# KiCad board digital.kicad_pcb (continued)
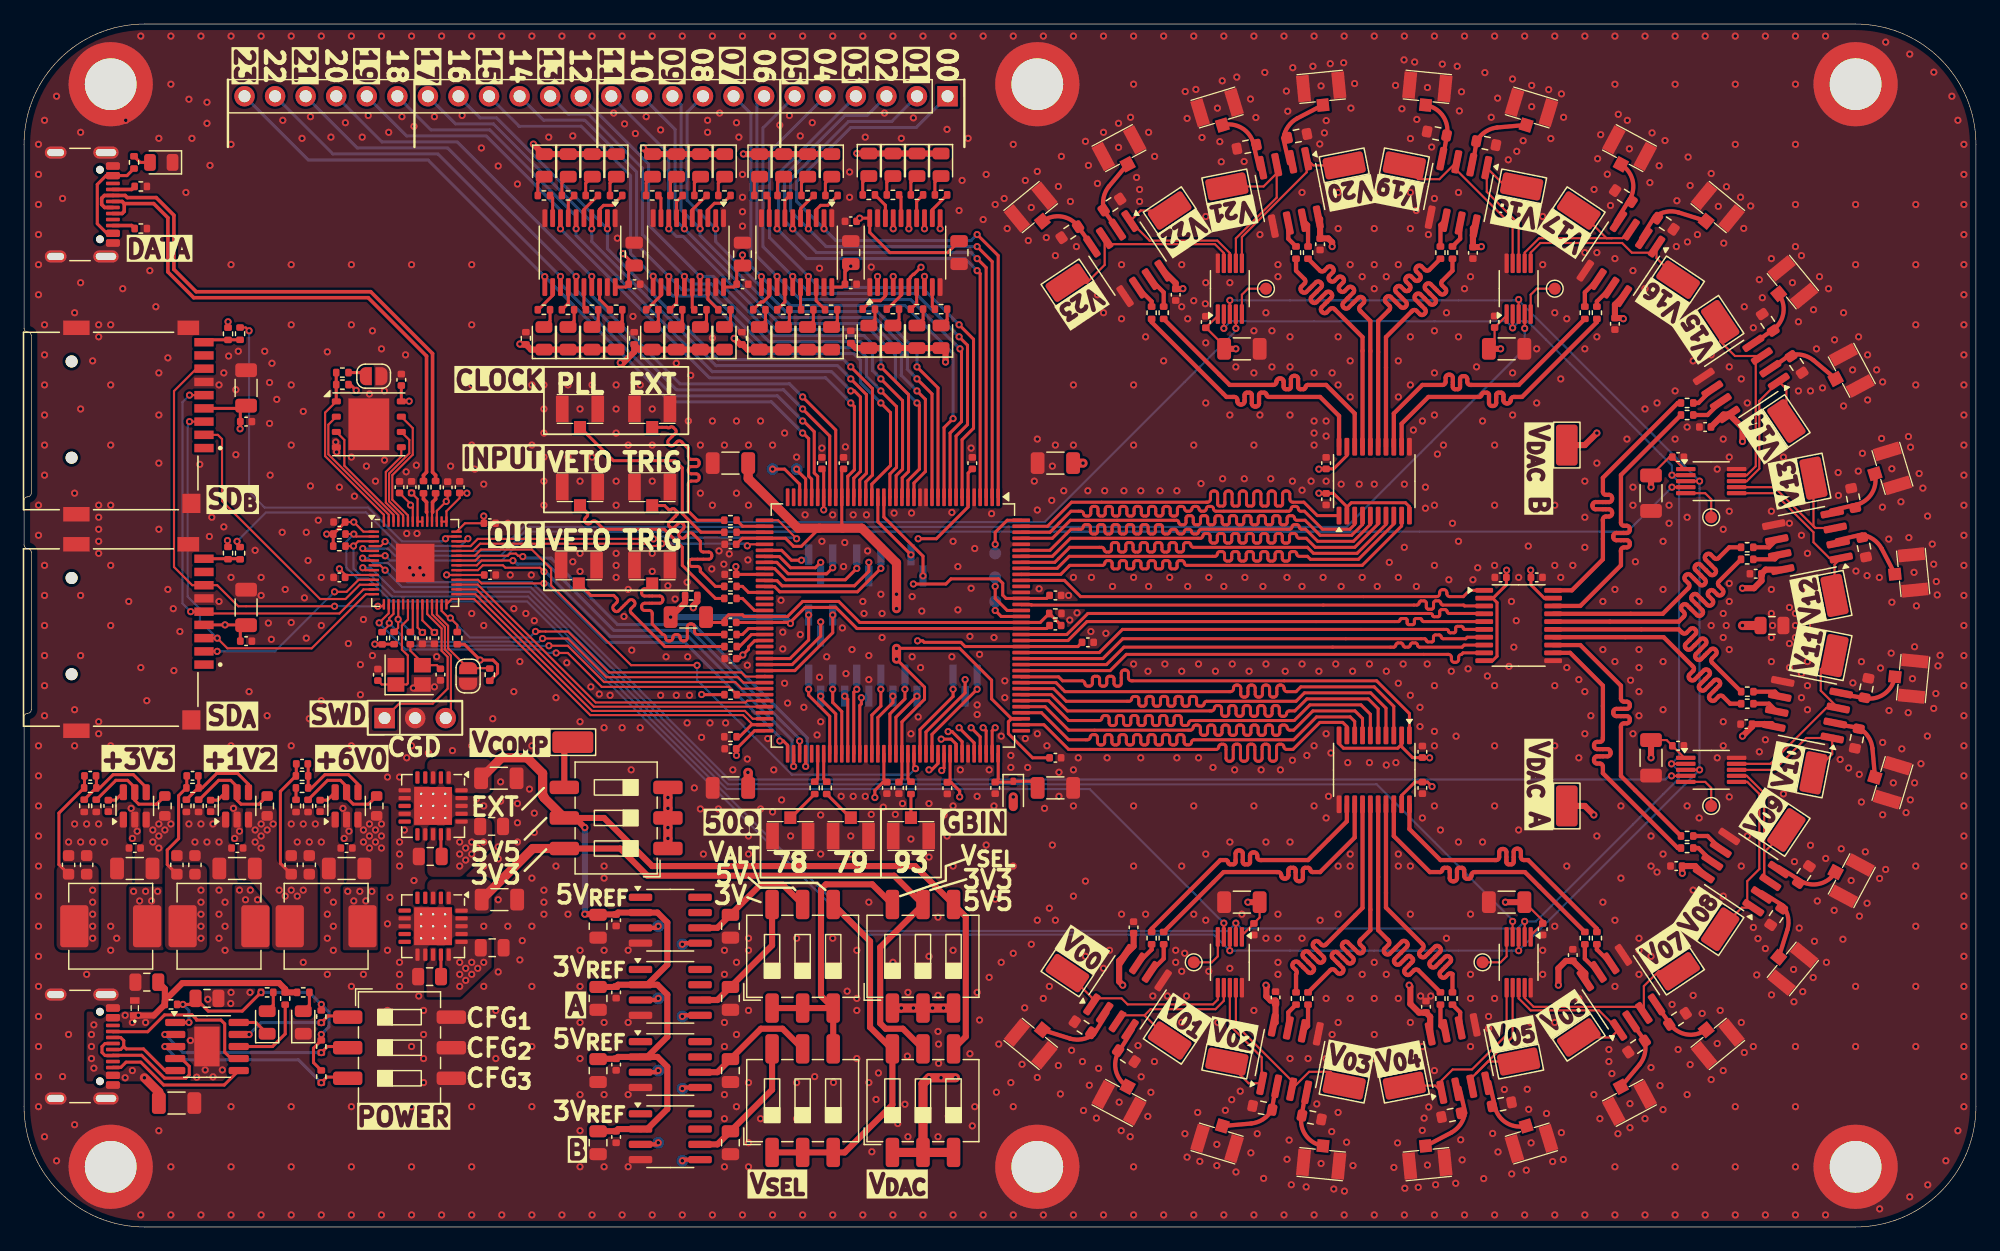
[diagram p0: board, top side]
## Routing (per net, layer and track width the routed paths; a pad name or vN(x,y) marks a point on that pad's centre or on a via; arc(x,y) is an arc through that point) (continued)
v1(156.7,97.5) v1(156.75,35.5) v1(156.7,2.5) v1(156.77,64.82) v1(156.92,45.58) v1(157.06,54.42) v1(157.1,48.23) v1(157.1,36.92) v1(157.2,85) v1(157.2,80) v1(157.2,75) v1(157.2,70) v1(157.2,30) v1(157.2,25) v1(157.2,20) v1(157.2,15) v1(157.25,51.63) v1(157.48,62.63) v1(157.63,38.51) v1(157.79,61.42) v1(158.18,59.1) v1(158.16,40.81) v1(158.2,3.5) v1(158.57,56.77) v1(158.7,96) v1(158.69,55.1) v1(158.69,43.11) v1(158.9,53.66) v1(158.87,44.34) v1(158.98,52.54) v1(159.05,46.64) v1(159.22,47.53) v1(159.7,5.5) v1(160.2,94) v1(160.7,92) v1(160.7,8) v1(161.2,90) v1(161.2,87.5) v1(161.2,85) v1(161.2,82.5) v1(161.2,80) v1(161.2,77.5) v1(161.2,75) v1(161.2,72.5) v1(161.2,70) v1(161.2,67.5) v1(161.2,65) v1(161.2,62.5) v1(161.2,60) v1(161.2,57.5) v1(161.2,55) v1(161.2,52.5) v1(161.2,50) v1(161.2,47.5) v1(161.2,45) v1(161.2,42.5) v1(161.2,40) v1(161.2,37.5) v1(161.2,35) v1(161.2,32.5) v1(161.2,30) v1(161.2,27.5) v1(161.2,25) v1(161.2,22.5) v1(161.2,20) v1(161.2,17.5) v1(161.2,15) v1(161.2,12.5) v1(161.2,10)
/comparators/COMP_VCC: length 360.5
  Top w0.254: U34.19 109.92,64.13 108.82,63.02 C108.1 107.62,63.02 v1(107.6,63) ; v1(117,36.61) 116.63,36.98 C98.1 115.58,36.98 114.48,35.87 U24.19 ; v1(125.2,54.6) 125.22,54.58 C102.1 125.22,53.38 126.33,52.28 U29.19
  Top w0.508: v1(142.8,53.1) 143.76,53.1 144.38,53.72 C101.2 144.73,54.65 U26.8 ; U36.8 107.7,83.8 C114.2 108.38,82.18 108.7,81.86 v1(108.7,81.5) ; v1(142.8,65.3) 142.8,66.44 U28.8 141.22,67.54 C105.2 ; v1(132.9,75.5) 132.84,75.56 C107.2 132.2,76.67 U31.8 ; U35.8 138.87,30 C113.2 137.78,29.42 v1(137.8,29.4) ; v1(103.2,20.1) 103.29,20.01 103.23,19.95 103.23,19.17 103.58,18.82 104,18.82 C104.2 104,16.98 U27.8 ; U33.8 120.4,83.02 C111.2 121.06,81.46 v1(121.1,81.5) ; v1(115.1,20.1) 115.2,20 115.2,18.54 115.92,17.82 C106.2 116.85,17.47 U30.8 ; U38.8 95.7,78.46 C116.2 96.28,77.98 v1(96.3,78) ; U32.8 129.74,21.08 C110.2 128.12,22.12 127.5,21.5 v1(127.5,20.1) ; C100.2 92.2,23.33 U25.8 91,22.13 91,20.4 v1(91.3,20.1) ; v1(142.8,40.8) 143.6,41.6 C115.2 145.22,41.8 U37.8
  Top w0.762: C112.1 v1(142.8,50) ; SW6.3 v1(53.51,35.7) v1(53.51,34.8) v1(53.51,33.2) v1(53.51,32.3) SW6.1
  In2.Cu w0.762: v1(107.6,63) 116.8,63 v1(125.2,54.6) 125.2,44.81 v1(117,36.61) 113.39,33 90.3,33 77.9,20.6 66.7,20.6 66.7,20.6 65.2,20.6 ; v1(53.51,35.7) v1(53.51,32.3) 74.81,11 78.5,11 87.6,20.1 v1(91.3,20.1) v1(103.2,20.1) v1(115.1,20.1) v1(127.5,20.1) 128.5,20.1 v1(137.8,29.4) 142.8,34.4 v1(142.8,40.8) v1(142.8,50) v1(142.8,53.1) v1(142.8,65.3) 142.8,65.6 v1(132.9,75.5) 126.9,81.5 v1(121.1,81.5) v1(108.7,81.5) 99.8,81.5 v1(96.3,78)
/comparators/IN22: length 6.8
  Top w0.356: 89.7,84.55 90.95,82.8 ; 89.73,84.56 arc(89.71,85.58) 90.15,86.5 91.7,88.35 ; 90.7,83.06 U38.2
/comparators/OUT0: length 2.1
  Top w0.356: R100.1 93.7,23.06 U25.7
/comparators/OUT1: length 2.7
  Top w0.356: U25.6 94.7,22.3 R99.1
/comparators/OUT2: length 2.2
  Top w0.356: U27.7 105.06,17.84 R98.1
/comparators/OUT3: length 2.3
  Top w0.356: R95.1 106.7,16.7 U27.6
/comparators/OUT4: length 2.3
  Top w0.356: R94.1 117.7,16.7 U30.7
/comparators/OUT5: length 2.2
  Top w0.356: R93.1 119.34,17.84 U30.6
/comparators/OUT6: length 2.7
  Top w0.356: R92.1 129.7,22.3 U32.7
/comparators/OUT7: length 2.1
  Top w0.356: U32.6 130.7,23.06 R91.1
/comparators/OUT8: length 2.1
  Top w0.356: R116.1 139.14,31.5 U35.7
/comparators/OUT9: length 2.7
  Top w0.356: R113.1 139.9,32.5 U35.6
/comparators/OUT10: length 2.2
  Top w0.356: U37.7 145.01,43.5 R112.1
/comparators/OUT11: length 2.3
  Top w0.356: U37.6 145.5,44.5 R111.1
/comparators/OUT12: length 2.4
  Top w0.356: U26.7 145.5,55.5 R110.1
/comparators/OUT13: length 2.2
  Top w0.356: U26.6 145.01,56.5 R109.1
/comparators/OUT14: length 2.7
  Top w0.356: R106.1 139.9,67.5 U28.7
/comparators/OUT15: length 2.1
  Top w0.356: U28.6 139.14,68.5 R105.1
/comparators/OUT16: length 2.1
  Top w0.356: U31.7 130.7,76.94 R130.1
/comparators/OUT17: length 2.7
  Top w0.356: R129.1 129.7,77.7 U31.6
/comparators/OUT18: length 2.2
  Top w0.356: R128.1 119.34,82.15 U33.7
/comparators/OUT19: length 2.3
  Top w0.356: R127.1 117.7,83.3 U33.6
/comparators/OUT20: length 2.3
  Top w0.356: U36.7 106.7,83.3 R126.1
/comparators/OUT21: length 2.2
  Top w0.356: R123.1 105.06,82.15 U36.6
/comparators/OUT22: length 2.7
  Top w0.356: U38.7 94.7,77.7 R122.1
/comparators/OUT23: length 2.1
  Top w0.356: U38.6 93.7,76.94 R121.1
/comparators/VREF0: length 15.5
  Top w0.178: TP7.1 88.74,19.06 U25.1 89.24,19 91.2,19 91.7,18.5 98.8,18.5 99.2,18.9 U15.6
/comparators/VREF1: length 14.5
  Top w0.178: 93.11,17.59 93.61,18.1 99,18.1 99.7,18.8 U15.7 ; 93.11,17.59 TP8.1 ; 93.11,17.59 91.36,17.59 U25.3 91.51,17.75
/comparators/VREF2: length 12.7
  Top w0.178: U15.8 100.2,16.75 102.85,14.1 U27.1 101.76,11.94 TP9.1
/comparators/VREF3: length 15.8
  Top w0.178: U15.9 100.7,16.8 105.34,12.16 U27.3 106.79,12.9 108.55,12.9 TP10.1
/comparators/VREF4: length 15.2
  Top w0.178: TP12.1 117.27,11.75 U30.1 117.81,12.19 118.72,13.09 120.33,13.09 123.2,15.97 U16.6
/comparators/VREF5: length 13.5
  Top w0.178: U30.3 120.31,12.41 120.67,12.78 ; 120.67,12.78 123.7,15.8 U16.7 ; 120.67,12.78 121.65,13.75 TP13.1
/comparators/VREF6: length 13.8
  Top w0.178: U16.8 124.2,19 125.2,18 130.87,18 U32.1 131.86,15.75 TP15.1
/comparators/VREF7: length 16.9
  Top w0.178: TP17.1 135.83,21.25 134.6,20.02 U32.3 134.1,18.3 125.44,18.3 124.7,19.04 U16.9
/comparators/VREF8: length 15.9
  Top w0.178: TP19.1 142.74,26.54 U35.1 143.2,27.04 143.2,28.75 144.2,29.75 144.2,36 143.2,37 U18.6
/comparators/VREF9: length 15.1
  Top w0.178: 144.6,29.16 144.6,31.15 TP20.1 ; 144.6,29.16 144.6,36.06 143.16,37.5 U18.7 ; 144.6,29.16 U35.3
/comparators/VREF10: length 12.6
  Top w0.178: U18.8 145.45,38 148.1,40.65 U37.1 150.26,39.31 TP21.1
/comparators/VREF11: length 15.8
  Top w0.178: TP22.1 149.3,46.35 149.3,44.59 U37.3 149.76,43.14 145.12,38.5 U18.9
/comparators/VREF12: length 14.7
  Top w0.178: U20.6 145.45,61 148.7,57.75 148.7,56.93 150.01,55.61 U26.1 150.45,55.07 TP26.1
/comparators/VREF13: length 13.8
  Top w0.178: 148.84,58.11 148.7,58.25 TP28.1 ; 148.84,58.11 145.45,61.5 U20.7 ; 148.84,58.11 U26.3
/comparators/VREF14: length 13.8
  Top w0.178: U20.8 143.16,62 144.2,63.04 144.2,68.67 U28.1 146.45,69.66 TP29.1
/comparators/VREF15: length 16.9
  Top w0.178: TP30.1 140.95,73.63 142.18,72.4 U28.3 143.9,71.9 143.9,63.24 143.16,62.5 U20.9
/comparators/VREF16: length 15.7
  Top w0.178: U21.6 125.2,81 126,81.8 132.8,81.8 133.6,81 135.16,81 U31.1 135.66,80.54 TP32.1
/comparators/VREF17: length 14.2
  Top w0.178: U21.7 124.7,81 125.9,82.2 131.95,82.2 ; 131.95,82.2 132.84,82.2 U31.3 ; 131.95,82.2 131.5,82.2 TP33.1
/comparators/VREF18: length 12.6
  Top w0.178: TP35.1 123.11,86.5 U33.1 121.55,86.05 124.2,83.4 U21.8
/comparators/VREF19: length 15.8
  Top w0.178: TP37.1 115.85,87.1 117.61,87.1 U33.3 119.06,87.84 123.7,83.2 U21.9
/comparators/VREF20: length 14.3
  Top w0.178: U23.6 101.2,82.3 106.59,87.68 U36.1 107.13,88.25 TP39.1
/comparators/VREF21: length 14.9
  Top w0.178: TP40.1 103,86.5 104.09,87.59 U36.3 104.09,85.57 100.7,82.18 U23.7
/comparators/VREF22: length 13.9
  Top w0.178: U23.8 100.2,80.96 99.16,82 93.53,82 U38.1 92.79,84.5 TP41.1
/comparators/VREF23: length 17.2
  Top w0.178: TP42.1 88.32,78.5 89.8,79.98 U38.3 90.3,81.7 98.96,81.7 99.7,80.96 U23.9
/dac/VREF_A: length 103.7
  Top w0.178: C84.1 136.5,40.47 C85.1 137.97,39 U18.1 ; C76.1 102.67,25.72 102.2,25.25 C77.1 101.2,24.23 U15.1 ; C79.1 126.2,25.47 C80.1 125.2,24.23 U16.1
  Top w0.508: v1(101.7,27) C76.1 ; v1(130.45,34.25) 129.7,35 TP4.1 ; C79.1 v1(123.1,27) ; C84.1 v1(135.2,39)
  Top w0.762: SW2.1 SW2.3 ; SW2.2 74.7,11.9 v1(75.2,12.4) v1(77.4,12.4)
  In2.Cu w0.508: 123.15,27 v1(123.1,27) ; v1(135.2,39) 135.15,39
  In2.Cu w0.762: v1(75.2,12.4) 78.4,12.4 79.8,13.8 79.8,16.2 90.6,27 v1(101.7,27) v1(123.1,27) 123.2,27 v1(135.2,39)
  vias: v1(76.2,12.4)
/dac/VREF_A_3V: length 11.3
  Top w0.508: SW3.6 62.16,11.41 C78.1 57.62,6.87 U14.6
/dac/VREF_A_5V: length 10.7
  Top w0.508: SW3.5 63.03,16.48 61.23,16.48 C83.1 57.62,12.87 U17.6
/dac/VREF_B: length 153.8
  Top w0.178: 99.73,73.25 98.23,74.75 C97.1 99.2,75.75 U23.1 ; C91.1 122.2,73.47 C92.1 123.2,75.77 U21.1 ; C88.1 136.73,64 C89.1 137.97,63 U20.1
  Top w0.508: C91.1 v1(122.7,73) ; TP24.1 129.7,65 v1(130.7,66) ; C88.1 v1(135.2,61.5) ; C96.1 v1(100.7,73)
  Top w0.762: SW4.1 v1(72.9,18.19) v1(75.5,18.19) SW4.3
  In2.Cu w0.762: v1(100.7,73) v1(122.7,73) 123.7,73 v1(130.7,66) v1(135.2,61.5) 135.2,40.6 122.8,28.2 90,28.2 80,18.2 v1(76.4,18.2) 76.39,18.19 v1(72.9,18.19)
  vias: v1(73.9,18.2)
/dac/VREF_B_3V: length 11.3
  Top w0.508: SW5.6 62.16,23.41 C90.1 57.62,18.87 U19.6
/dac/VREF_B_5V: length 10.7
  Top w0.508: SW5.5 63.03,28.48 61.23,28.48 C95.1 57.62,24.86 U22.6
/dac/VREF_SELECT_A: length 30.4
  Top w0.508: SW5.4 70.3,23.75 70.3,16.6 72.09,14.81 SW2.6 72.16,10.16 68.2,6.19 SW3.3 SW3.1
/dac/VREF_SELECT_B: length 25.6
  Top w0.508: SW5.3 66.23,19.21 66.23,28.07 66.63,28.48 70.48,28.48 SW4.6 ; SW5.3 SW3.4 ; SW5.3 SW5.1
/FPGA/ALT_CLK: length 2.4
  Top w0.254: U1.93 73.45,37.26 R4.2
/FPGA/BNC_0: length 2.4
  Top w0.254: U1.78 65.95,37.26 R1.2
/FPGA/BNC_1: length 2.4
  Top w0.254: U1.79 66.45,37.26 R2.2
/FPGA/CDONE: length 36.2
  Top w0.178: U4.17 30.7,50.97 30.35,50.61 v1(30.35,50.2) 30.35,50.05 R30.2 ; v1(43.62,48.32) 45.18,48.32 48.2,45.3 59.09,45.3 59.64,44.75 U1.65
  Bottom w0.178: v1(43.62,48.32) 32.23,48.32 v1(30.35,50.2)
/FPGA/CS: length 33.7
  Top w0.178: U1.71 60.55,41.75 59.75,42.55 47.05,42.55 37.4,52.2 35.54,52.2 U4.28
  Top w0.254: U1.71 60.45,41.75 59.45,40.75 R34.2
/FPGA/D0: length 34.1
  Top w0.178: U4.32 37.72,53.8 38.02,53.5 v1(43.2,53.5)
  Top w0.254: v1(62.8,40.4) 63.1,40.4 63.45,40.05 U1.73
  Bottom w0.254: v1(62.8,40.4) 62.8,40.7 54.9,48.6 48.4,48.6 43.5,53.5 v1(43.2,53.5)
/FPGA/D1: length 37.4
  Top w0.178: v1(43.21,54.47) 42.88,54.8 40,54.8 39.8,55 38.12,55 37.72,54.6 U4.34
  Top w0.254: U1.74 v1(63.95,38.29)
  Bottom w0.254: v1(63.95,38.29) 63.82,38.41 63.82,40.48 55.2,49.1 48.7,49.1 43.33,54.47 v1(43.21,54.47)
/FPGA/D2: length 36
  Top w0.178: v1(40.62,55.39) 40.61,55.4 38.02,55.4 37.62,55 U4.35
  Top w0.254: U1.75 v1(64.45,40.39)
  Bottom w0.254: v1(64.45,40.39) 64.45,40.55 55.4,49.6 49,49.6 43.5,55.1 40.99,55.1 40.7,55.39 v1(40.62,55.39)
/FPGA/D3: length 39.2
  Top w0.178: U4.36 37.5,55.4 37.9,55.8 40.2,55.8 40.38,55.98 40.87,55.98 41.05,55.8 41.37,55.8 v1(41.44,55.73)
  Top w0.254: U1.76 v1(64.95,38.29)
  Bottom w0.254: v1(41.44,55.73) 41.57,55.6 43.8,55.6 49.33,50.07 55.66,50.07 65.08,40.65 65.08,38.41 v1(64.95,38.29)
/FPGA/DEBUG_0: length 57.1
  Top w0.178: U11.2 v1(66.48,82.98)
  Top w0.254: v1(79.2,82.5) 80.95,80.75 U1.1
  Bottom w0.254: v1(79.2,82.5) 78.7,82 67.46,82 v1(66.48,82.98) 64.2,85.26 64.2,86.9 68.7,91.4 74.14,91.4 J45.1
/FPGA/DEBUG_1: length 55
  Top w0.178: U11.4 v1(65.17,82.98)
  Top w0.254: v1(79.2,81.5) 80.45,80.25 U1.2
  Bottom w0.254: v1(79.2,81.5) 66.66,81.5 v1(65.17,82.98) 63.7,84.46 63.7,87.1 68.5,91.9 72.1,91.9 J45.2
/FPGA/DEBUG_2: length 53.5
  Top w0.178: U11.6 v1(63.87,82.98)
  Top w0.254: U1.3 79.95,79.75 v1(79.2,80.5)
  Bottom w0.178: 71.43,94 J45.3
  Bottom w0.254: v1(79.2,80.5) 78.7,81 65.86,81 v1(63.87,82.98) 63.2,83.66 63.2,87.4 68.2,92.4 70.06,92.4 J45.3
/FPGA/DEBUG_3: length 51.6
  Top w0.178: U11.8 v1(62.57,82.98)
  Top w0.254: U1.4 79.45,79.25 v1(79.2,79.5)
  Bottom w0.254: v1(79.2,79.5) 78.2,80.5 65.06,80.5 v1(62.57,82.98) 62.7,83.11 62.7,87.58 J45.4
/FPGA/DEBUG_4: length 48.6
  Top w0.178: U11.17 v1(65.17,79.02)
  Top w0.254: v1(77.7,75) 78.9,73.8 78.9,66.4 77.95,65.45 U1.7 77.97,60.68
  Bottom w0.254: v1(77.7,75) 74.6,78.1 66.09,78.1 v1(65.17,79.02) 61.95,82.25 61.95,89.37 J45.5
/FPGA/DEBUG_5: length 47.9
  Top w0.178: U11.15 v1(63.87,79.02)
  Top w0.254: v1(77.7,74) 78.4,73.3 78.4,66.7 77.45,65.75 U1.8
  Bottom w0.254: v1(77.7,74) 74.1,77.6 65.29,77.6 v1(63.87,79.02) 61.4,81.49 61.4,91.36 J45.6
/FPGA/DEBUG_6: length 47.3
  Top w0.178: U11.13 v1(62.58,79.02)
  Top w0.254: U1.9 76.95,66 77.9,66.95 77.9,72.87 v1(77.77,73)
  Bottom w0.254: J45.7 60.9,93.4 60.9,80.69 v1(62.58,79.02) 64.49,77.1 73.67,77.1 v1(77.77,73)
/FPGA/DEBUG_7: length 47.7
  Top w0.178: v1(61.27,79) 61.28,79 U11.11
  Top w0.254: v1(77.2,67.2) 76.45,66.45 U1.10
  Bottom w0.254: J45.8 60.4,92.56 60.4,79.87 v1(61.27,79) 63.67,76.6 73.2,76.6 77.2,72.6 v1(77.2,67.2)
/FPGA/DEBUG_8: length 47.9
  Top w0.254: U12.2 v1(57.47,82.98) ; U1.11 75.95,69.75 v1(74.2,71.5)
  Bottom w0.254: v1(74.2,71.5) 74.2,72.8 70.9,76.1 63.28,76.1 57.47,81.91 v1(57.47,82.98) 55.1,85.36 55.1,92.68 J45.9
/FPGA/DEBUG_9: length 47.7
  Top w0.254: v1(74.2,70.5) 75.45,69.25 U1.12 ; U12.4 v1(56.17,82.98)
  Bottom w0.254: J45.10 54.6,93.28 54.6,84.56 v1(56.17,82.98) 56.17,82.43 63,75.6 70.7,75.6 73.4,72.9 73.4,71.3 v1(74.2,70.5)
/FPGA/DEBUG_10: length 48.9
  Top w0.254: U1.15 73.95,61.85 74.9,62.8 74.9,68.8 v1(74.2,69.5) ; U12.6 54.87,82.97 v1(54.87,82.98)
  Bottom w0.254: J45.11 54.1,91.24 54.1,83.76 v1(54.87,82.98) 62.76,75.1 70.5,75.1 72.9,72.7 72.9,70.8 v1(74.2,69.5)
/FPGA/DEBUG_11: length 50.1
  Top w0.254: U12.8 v1(53.58,82.98) ; U1.16 73.45,62.05 74.4,63 74.4,68.3 v1(74.2,68.5)
  Bottom w0.254: J45.12 53.58,89.22 v1(53.58,82.98) 54.2,82.35 54.75,82.35 62.5,74.6 70.3,74.6 72.4,72.5 72.4,70.3 v1(74.2,68.5)
/FPGA/DEBUG_12: length 50.8
  Top w0.254: U12.17 v1(56.18,79.02) ; v1(71.2,71.5) 73.5,69.2 73.5,62.8 72.97,62.27 72.97,60.68 U1.17
  Bottom w0.254: v1(71.2,71.5) 71.2,72.7 69.8,74.1 62.2,74.1 57.28,79.02 v1(56.18,79.02) 51.9,83.29 51.9,88.36 J45.13
/FPGA/DEBUG_13: length 53.1
  Top w0.254: U1.18 72.47,60.68 72.47,62.47 73,62.99 73,68.7 v1(71.2,70.5) ; U12.15 v1(54.88,79.02)
  Bottom w0.254: 71.2,70.6 v1(71.2,70.5) 70.5,71.2 70.5,72.6 69.5,73.6 61.9,73.6 57.11,78.39 55.51,78.39 54.88,79.02 v1(54.88,79.02) 51.39,82.51 51.39,88.02 46.9,92.5 45.22,92.5 J45.14
/FPGA/DEBUG_14: length 55.1
  Top w0.254: 71.97,60.68 U1.19 71.95,62.59 72.5,63.14 72.5,68.2 v1(71.2,69.5) ; U12.13 v1(53.58,79.02)
  Bottom w0.254: J45.15 43.18,92 46.6,92 50.9,87.7 50.9,81.69 v1(53.58,79.02) 54.69,77.9 56.8,77.9 61.6,73.1 69.2,73.1 70,72.3 70,70.7 v1(71.2,69.5)
/FPGA/DEBUG_15: length 57.7
  Top w0.254: v1(52.28,79.04) U12.11 ; v1(71.2,68.5) 72,67.7 72,63.3 70.45,61.75 U1.22
  Bottom w0.254: J45.16 41.14,91.5 46.3,91.5 50.4,87.4 50.4,80.91 v1(52.28,79.04) 53.91,77.4 56.6,77.4 61.4,72.6 68.95,72.6 69.5,72.05 69.5,70.2 v1(71.2,68.5)
/FPGA/DEBUG_16: length 55.6
  Top w0.254: U1.23 69.95,61.95 70.5,62.5 70.5,69.7 v1(68.7,71.5) ; U13.2 v1(48.47,82.98)
  Bottom w0.254: J45.17 37.9,92.2 39.26,92.2 v1(48.47,82.98) 48.47,81.33 57.7,72.1 68.1,72.1 v1(68.7,71.5)
/FPGA/DEBUG_17: length 57.3
  Top w0.254: U13.4 v1(47.17,82.98) ; U1.24 69.45,62.1 70,62.65 70,69.2 v1(68.7,70.5)
  Bottom w0.254: J45.18 35.86,91.7 39,91.7 47.17,83.53 v1(47.17,82.98) 47.17,81.93 57.5,71.6 67.6,71.6 v1(68.7,70.5)
/FPGA/DEBUG_18: length 59.2
  Top w0.254: U13.6 v1(45.87,82.98) ; U1.25 68.95,62.25 69.5,62.8 69.5,69 69,69.5 v1(68.7,69.5)
  Bottom w0.254: J45.19 33.82,91.2 38.7,91.2 45.87,84.03 v1(45.87,82.98) 45.87,82.43 57.2,71.1 67.1,71.1 v1(68.7,69.5)
/FPGA/DEBUG_19: length 60.8
  Top w0.254: v1(68.7,68.5) 69,68.2 69,62.94 68.47,62.41 68.45,62.41 U1.26 ; U13.8 v1(44.57,82.98)
  Bottom w0.254: J45.20 31.78,90.7 38.4,90.7 44.57,84.53 v1(44.57,82.98) 56.96,70.6 66.6,70.6 v1(68.7,68.5)
/FPGA/DEBUG_20: length 60.4
  Top w0.254: U1.28 67.45,66.25 v1(64.7,69) ; U13.17 v1(47.18,79.02)
  Bottom w0.254: J45.21 29.74,90.2 35.99,90.2 v1(47.18,79.02) 47.18,77.42 54.5,70.1 63.6,70.1 v1(64.7,69)
/FPGA/DEBUG_21: length 61.9
  Top w0.254: U13.15 v1(45.88,79.02) ; U1.29 66.95,65.75 v1(64.7,68)
  Bottom w0.254: v1(64.7,68) 63.1,69.6 54.2,69.6 45.88,77.92 v1(45.88,79.02) 35.19,89.7 27.7,89.7 J45.22
/FPGA/DEBUG_22: length 63.2
  Top w0.254: U13.13 v1(44.58,79.02) ; U1.31 65.95,62.39 65.66,62.68 65.66,66.11 64.77,67 v1(64.7,67)
  Bottom w0.254: v1(64.7,67) 62.6,69.1 53.9,69.1 44.58,78.42 v1(44.58,79.02) 34.39,89.2 25.66,89.2 J45.23
/FPGA/DEBUG_23: length 64.5
  Top w0.254: U13.11 43.28,79 v1(43.27,79) ; v1(64.7,66) 64.73,66 65.2,65.53 65.2,62.42 65.45,62.17 U1.32
  Bottom w0.254: v1(64.7,66) 62.1,68.6 53.67,68.6 v1(43.27,79) 33.57,88.7 23.62,88.7 J45.24
/FPGA/EXT_CLK: length 2.5
  Top w0.254: U1.38 59.71,58.25 R3.2
/FPGA/GBIN2: length 49.1
  Top w0.178: v1(55.92,46.69) 55.91,46.7 50.44,46.7 43.8,53.34 43.8,54.71 42.2,56.32 37.97,56.32 37.45,55.8 U4.37
  Top w0.254: v1(74.08,38.1) 73.95,38.23 U1.94
  Bottom w0.178: v1(55.92,46.69) 55.92,45.48 63.8,37.6 73.58,37.6 v1(74.08,38.1)
/FPGA/LED_0: length 45.7
  Top w0.254: U1.98 75.95,38.53 75.42,38 v1(75.2,38) ; U2.2 v1(70.93,79.02)
  In2.Cu w0.254: v1(75.2,38) 75,38.2 75,45.73 75.33,46.06 75.33,74.62 v1(70.93,79.02)
/FPGA/LED_1: length 45.3
  Top w0.254: U1.99 76.45,38.14 v1(76.25,37.95) ; U2.4 v1(72.23,79.02)
  In2.Cu w0.254: v1(72.23,79.02) 72.23,78.47 75.8,74.9 75.8,45.8 75.5,45.5 75.5,38.7 v1(76.25,37.95)
/FPGA/LED_2: length 47.5
  Top w0.254: U1.101 77.45,40.15 77.04,40.55 v1(76.21,40.55) ; U2.6 73.53,78.78 73.65,78.9 73.65,78.96 73.89,79.2 73.95,79.2 v1(74.53,79.78)
  In2.Cu w0.254: v1(74.53,79.78) 74.15,79.4 74.15,78.8 74.6,78.35 75.24,78.35 79.15,74.44 79.15,73.45 76.3,70.6 76.3,45.6 76,45.3 76,40.77 v1(76.21,40.55)
/FPGA/LED_3: length 45
  Top w0.254: U1.102 77.95,40.35 77.12,41.18 v1(76.79,41.18) ; U2.8 v1(74.82,79.02)
  In2.Cu w0.254: v1(76.79,41.18) 76.5,41.47 76.5,45 76.9,45.4 76.9,46.1 77.8,47 77.8,47.3 79.7,49.2 79.7,74.7 75.38,79.02 v1(74.82,79.02)
/FPGA/LED_4: length 51.5
  Top w0.254: U2.17 v1(72.23,82.98) ; v1(77.7,41.5) 78.95,40.25 U1.104
  In2.Cu w0.254: v1(72.23,82.98) 81.7,73.51 81.7,48.8 79.03,46.13 77.94,46.13 77.57,45.76 77.57,45.24 77.83,44.98 77.83,41.63 v1(77.7,41.5)
/FPGA/LED_5: length 50
  Top w0.254: U1.105 79.45,40.75 v1(78.7,41.5) ; U2.15 v1(73.52,82.98)
  In2.Cu w0.254: v1(78.7,41.5) 78.57,41.63 78.57,44.98 82.2,48.61 82.2,73.7 73.52,82.38 v1(73.52,82.98)
/FPGA/LED_6: length 49.1
  Top w0.254: v1(79.7,41.5) 79.95,41.25 U1.106 ; U2.13 v1(74.82,82.98)
  In2.Cu w0.254: v1(74.82,82.98) 74.82,81.78 82.7,73.9 82.7,48.34 79.83,45.47 79.83,41.63 v1(79.7,41.5)
/FPGA/LED_7: length 48.6
  Top w0.254: v1(80.7,41.5) 80.45,41.25 U1.107 ; v1(76.13,82.99) 76.13,82.99 U2.11
  In2.Cu w0.254: v1(76.13,82.99) 76.13,81.17 83.2,74.1 83.2,48.05 80.7,45.55 v1(80.7,41.5)
/FPGA/MCU_CLK: length 32
  Top w0.178: U1.37 62.66,58.75 v1(64.2,57.21) ; v1(52.3,57.2) 37.7,57.2 37.1,56.6 U4.39
  Bottom w0.178: v1(64.2,57.21) 64.11,57.3 53.33,57.3 53.24,57.39 52.76,57.39 52.67,57.3 52.4,57.3 v1(52.3,57.2)
/FPGA/PLL_CLK: length 2.3
  Top w0.254: R5.2 U1.39
/FPGA/PLL_LOCK: length 26.1
  Top w0.178: v1(53,56.8) 52.73,56.8 52.54,56.61 52.06,56.61 51.87,56.8 37.9,56.8 37.3,56.2 U4.38 ; U1.41 60.23,56.75 v1(60.1,56.62)
  Bottom w0.178: v1(60.1,56.62) 59.92,56.8 v1(53,56.8)
/FPGA/SCK: length 29.9
  Top w0.178: U1.70 60.55,42.25 59.9,42.9 47.2,42.9 37.5,52.6 U4.29
/FPGA/SI: length 29.6
  Top w0.178: U4.30 37.6,53 47.35,43.25 U1.68
/FPGA/SO: length 29.7
  Top w0.178: U4.31 37.7,53.4 47.5,43.6 59.95,43.6 60.1,43.75 U1.67
